# Altium PCB Pace Maker Panel RevA.PcbDoc (part 1 of 2)
Units mm, origin at the board's own origin, x right, y up, seen from the top; angles counter-clockwise.
Board outline 150.47 x 78.27 mm, 2 copper layers (Top Copper, Bottom Copper), stack 1.57 mm thick; 193 components, 124 nets, 564 pads, 154 vias.
Unrouted connection lines stored in the file: 2.
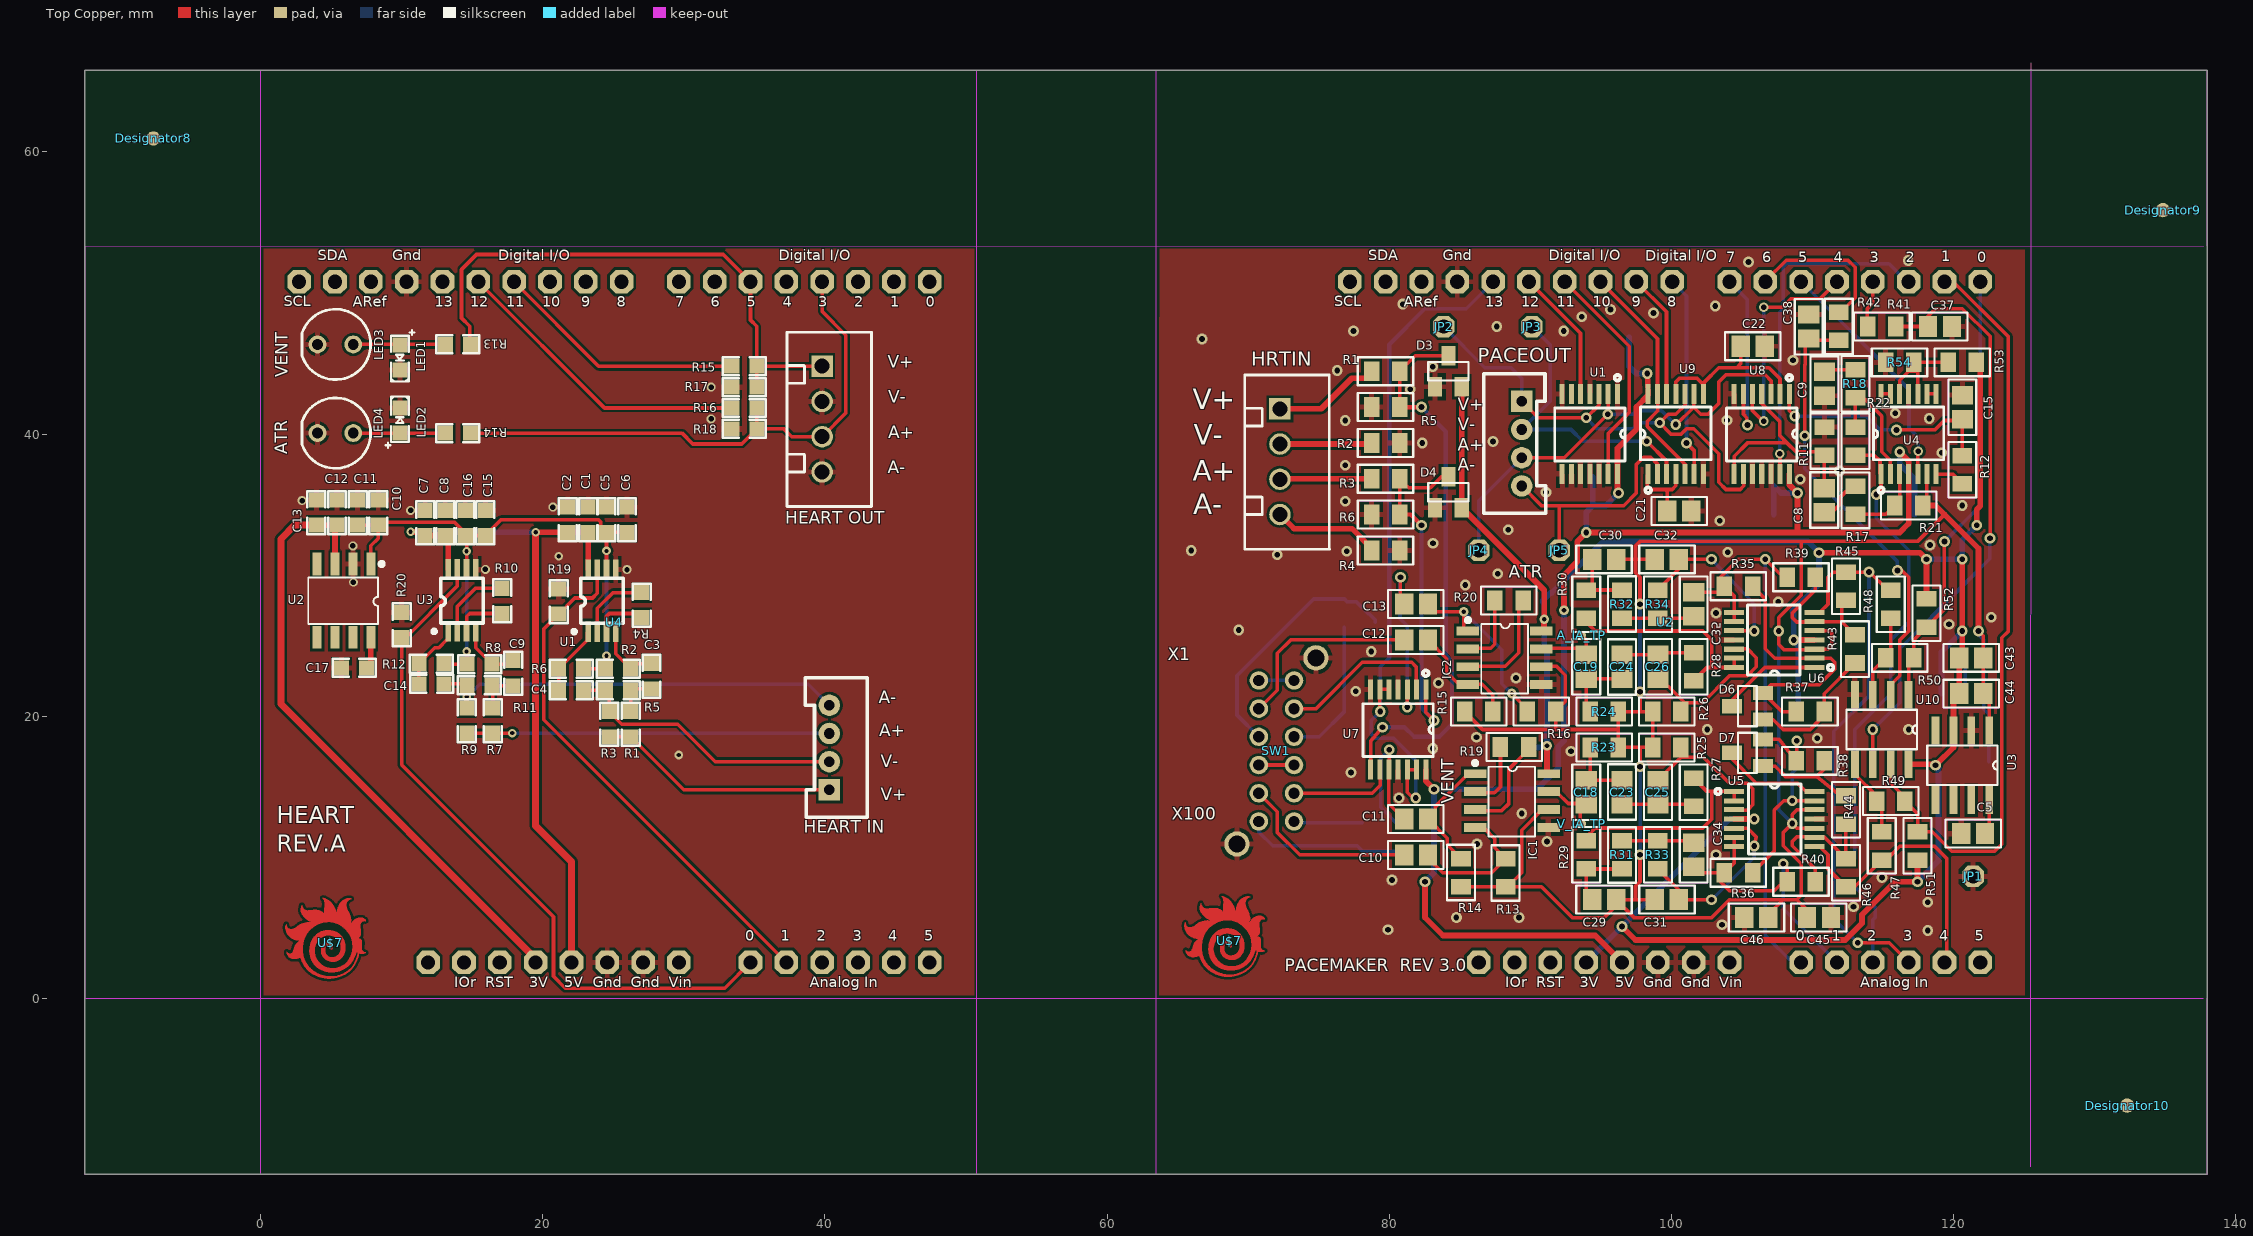
[diagram p0: Top Copper view]
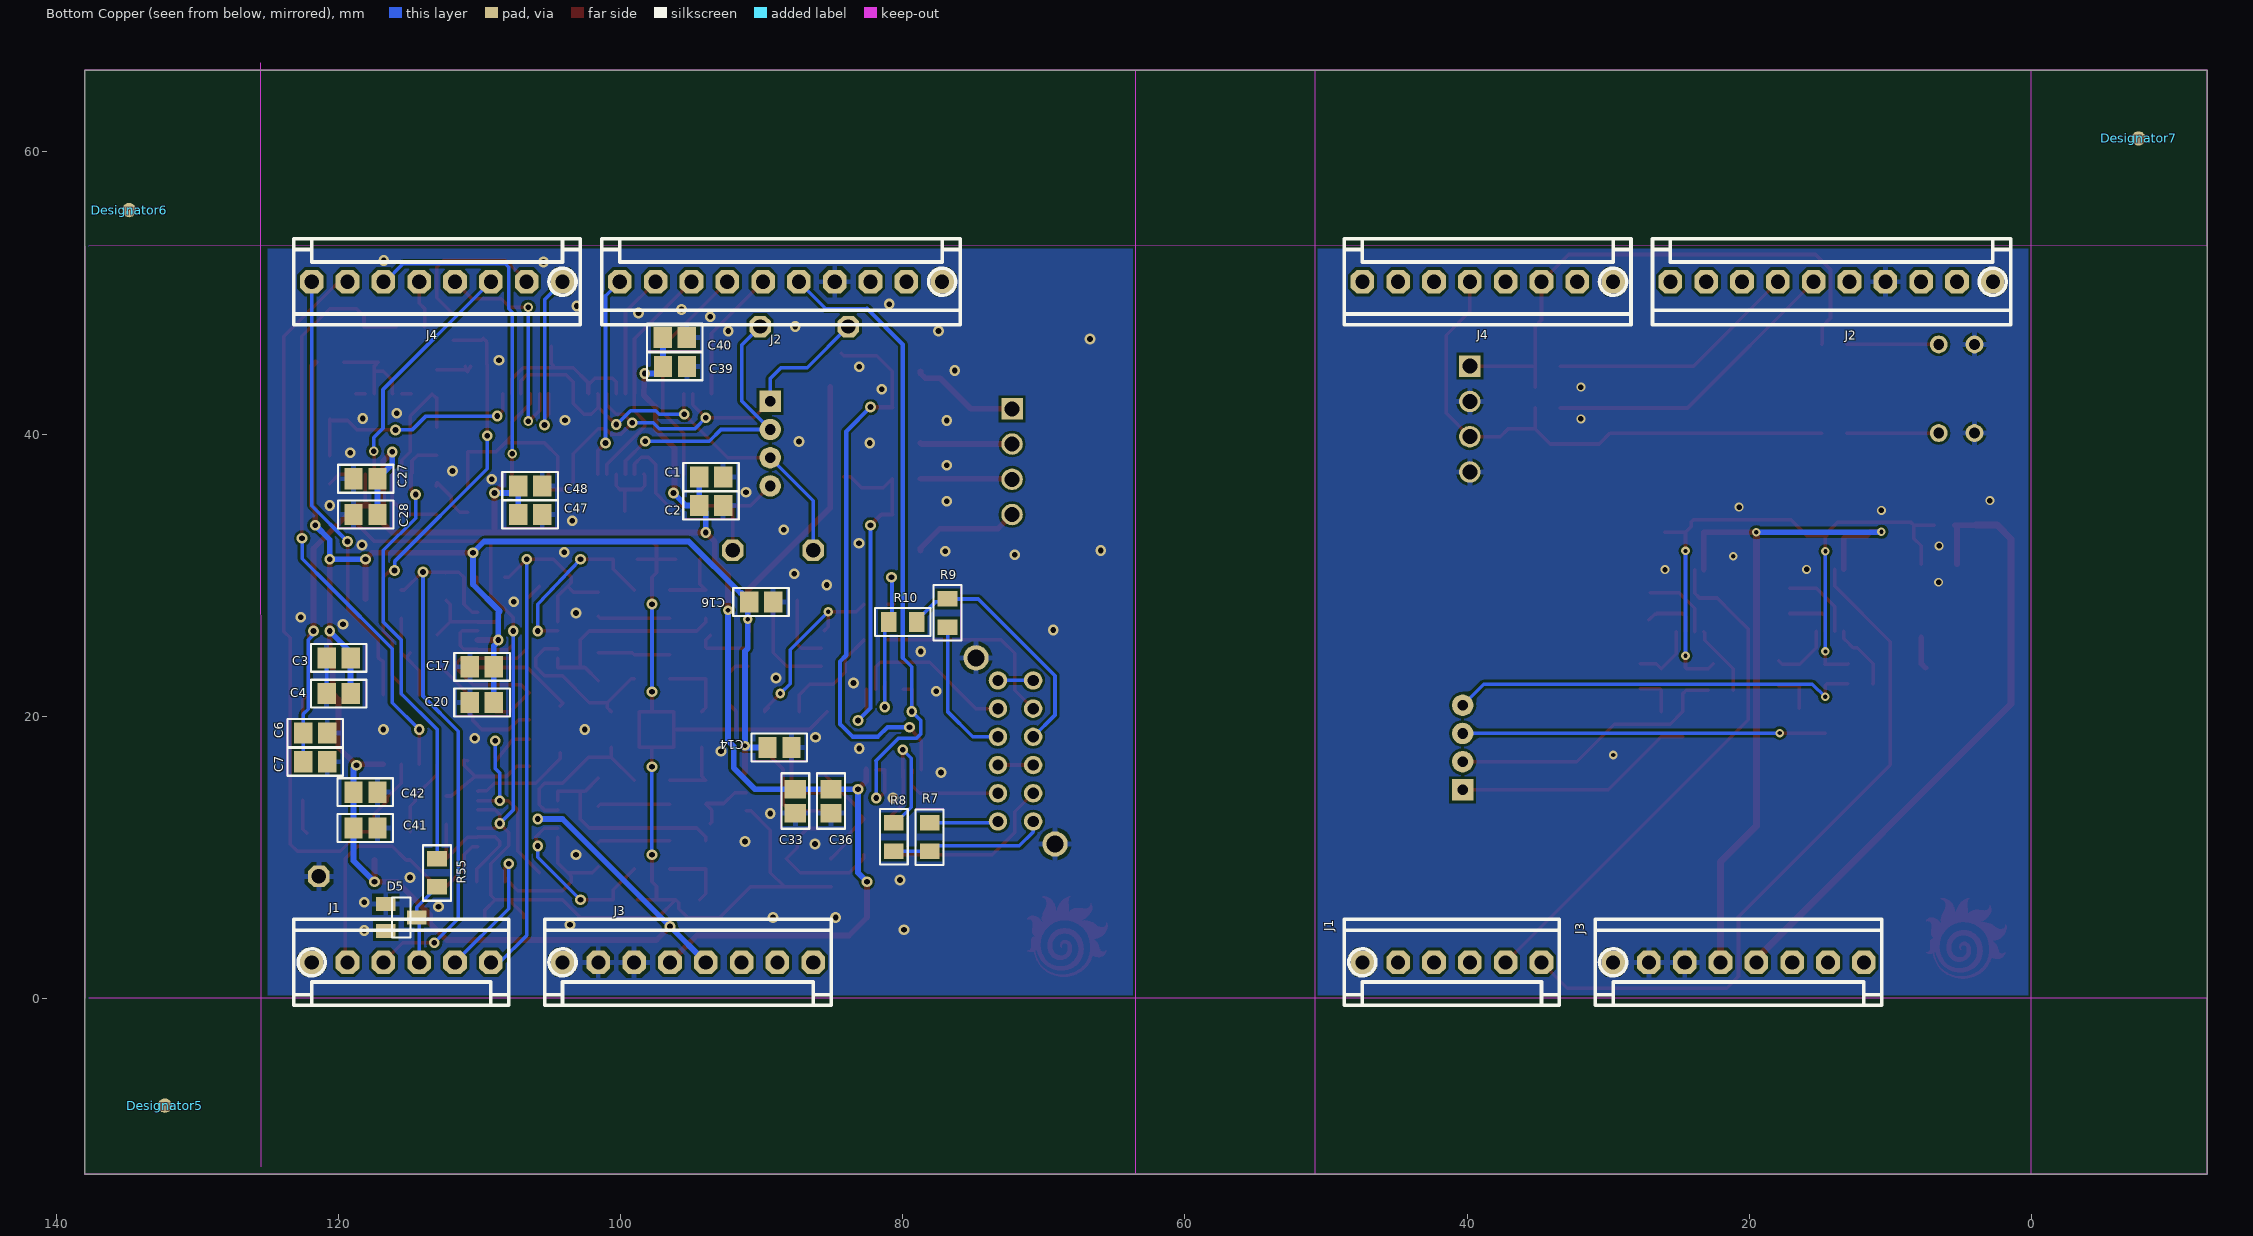
[diagram p1: Bottom Copper view, seen from below]

## Layer stack, top to bottom
Top Mask: solder mask 0.015, Solder Resist, Dk 3.8
Top Copper: signal copper 0.035
Dielectric 1: prepreg 0.1, 2313, Dk 4.05
Core: core 1.3, FR-4, Dk 4.5
Dielectric 2: prepreg 0.1, 2313, Dk 4.05
Bottom Copper: signal copper 0.035
Bottom Mask: solder mask 0.015, Solder Resist, Dk 3.8

## Board outline
-12.471,0 -12.471,53.33 -12.471,65.801 137.998,65.801 137.998,53.33 137.998,0 137.998,-12.471 -12.471,-12.471

## Design rules (kind name [scope] priority, off if disabled: settings)
AssemblyTestPointUsage [All] p1 off:
AssemblyTestpoint [All] p1 off: testpointundercomponent=TRUE minsize=1.016 maxsize=2.54 preferedsize=1.524 minholesize=0 maxholesize=1.016 preferedholesize=0.813 testpointgrid=0.025 usegrid=TRUE gridtolerance=0 allowsidetop=TRUE allowsidebottom=TRUE
Clearance Clearance_poly [InPolygon vs InPolygon] p1: gap=0.254 ignorepadtopadclearanceinfootprint=FALSE
Clearance [All] p2: gap=0.152 ignorepadtopadclearanceinfootprint=FALSE
ComponentClearance [All] p1 off: gap=0.254 collisioncheckmode=3 verticalgap=0.254 showdistances=FALSE
DiffPairsRouting [All] p1 off: maxlimit=0.254 minlimit=0.254 mostfreqgap=0.254 toplayer_minwidth=0.381 toplayer_maxwidth=0.381 toplayer_prefwidth=0.381 bottomlayer_minwidth=0.381 bottomlayer_maxwidth=0.381 bottomlayer_prefwidth=0.381 maxuncoupledlength=12.7
FabricationTestPointUsage [All] p1 off: valid=0 allowmultiple=FALSE
FabricationTestpoint [All] p1 off: side=3 testpointundercomponent=TRUE minsize=1.016 maxsize=2.54 preferedsize=1.524 minholesize=0 maxholesize=1.016 preferedholesize=0.813 testpointgrid=0.025 allowsidetop=TRUE allowsidebottom=TRUE usegrid=TRUE gridtolerance=0
FanoutControl Fanout_BGA [IsBGA] p1 off: bgadir=Out bgaviamode=Centered fanoutstyle=Auto fanoutdirection=Alternating viagrid=0.025 // Fanout_BGA (Default Rule)
FanoutControl Fanout_LCC [IsLCC] p2 off: bgadir=Out bgaviamode=Centered fanoutstyle=Auto fanoutdirection=Alternating viagrid=0.025 // Fanout_LCC (Default Rule)
FanoutControl Fanout_SOIC [IsSOIC] p3 off: bgadir=Out bgaviamode=Centered fanoutstyle=Auto fanoutdirection=Alternating viagrid=0.025 // Fanout_SOIC (Default Rule)
FanoutControl Fanout_Small [(CompPinCount < 5)] p4 off: bgadir=Out bgaviamode=Centered fanoutstyle=Auto fanoutdirection=OutThenIn viagrid=0.025 // Fanout_Small (Default Rule)
FanoutControl Fanout_Default [All] p5 off: bgadir=Out bgaviamode=Centered fanoutstyle=Auto fanoutdirection=Alternating viagrid=0.025 // Fanout_Default (Default Rule)
Height [All] p1 off: minheight=0 maxheight=25.4 prefheight=12.7
HoleSize [All] p1: absolutevalues=TRUE maxlimit=6 minlimit=0.025 maxpercent=80.000 minpercent=20.000
MinimumSolderMaskSliver [All] p1 off: minsoldermaskwidth=0.254
PolygonConnect PolygonConnect_via [IsVia] p1: connectstyle=Direct reliefconductorwidth=0.254 reliefentries=4 polygonreliefangle="90 Angle" airgapwidth=0.254
PolygonConnect [All] p2: connectstyle=Relief reliefconductorwidth=0.381 reliefentries=4 polygonreliefangle="90 Angle" airgapwidth=0.203
RoutingPriority [All] p1 off: routingpriority=0
RoutingTopology [All] p1 off: topology=Shortest
RoutingVias [All] p1: holewidth=0.381 width=0.635 viastyle="Through Hole" minholewidth=0.305 minwidth=0.61 maxholewidth=1.524 maxwidth=2.032
SilkToSilkClearance [All] p1 off: silktosilkclearance=0.254
SilkToSolderMaskClearance [IsPad] p1 off: minsilkscreentomaskgap=0.254 clearancetoexposedcopper=TRUE
SolderMaskExpansion [All] p1: expansion=0.102 istentingtop=FALSE
UnRoutedNet UnRoutedNet_signal [All] p1:
UnpouredPolygon [All] p1 off:
Width [All] p1: maxlimit=2.032 minlimit=0.203 preferedwidth=0.203
10 further rules are at their usual default settings.

## Components (designator, comment, footprint, x,y, rotation, side; value= is the part's Value field where it differs from the comment)
A_IA_TP "TPSTP06R" TP06R 93.662,25.717 r0 top
C1 "*" C0805 93.599,36.957 r180 bottom value=0.1uF
C1 "0.1uF" 0603_N_1MM 23.21,34.812 r270 top value=CL10B104KB8NNNL
C2 "*" C0805 93.599,34.925 r180 bottom value=1uF
C2 "1uF" 0603_N 21.761,34.812 r270 top value=CL10B105KQ8NNNC
C3 "*" C0805 120.015,24.13 r0 bottom value=0.1uF
C3 "3300pF" 0603_N 27.699,21.935 r90 top value=885012006016
C4 "*" C0805 120.015,21.59 r0 bottom value=1uF
C4 "3300pF" 0603_N 22.891,21.834 r180 top value=885012006016
C5 "*" C0805 121.412,11.684 r180 top value=1uF
C5 "0.1uF" 0603_N_1MM 24.511,34.812 r270 top value=CL10B104KB8NNNL
C6 "*" C0805 121.666,18.796 r180 bottom value=0.1uF
C6 "1uF" 0603_N 25.961,34.812 r270 top value=CL10B105KQ8NNNC
C7 "*" C0805 121.666,16.764 r180 bottom value=1uF
C7 "0.1uF" 0603_N_1MM 11.652,34.584 r270 top value=CL10B104KB8NNNL
C8 "*" C0805 110.858,35.306 r270 top value=1uF
C8 "1uF" 0603_N 13.074,34.584 r270 top value=CL10B105KQ8NNNC
C9 "*" C0805 110.871,43.561 r90 top value=1uF
C9 "3300pF" 0603_N 17.892,22.149 r90 top value=885012006016
C10 "*" C0805 81.915,10.16 r0 top value=10uF
C10 "0.1uF" 0603_N_1MM 8.324,35.32 r270 top value=CL10B104KB8NNNL
C11 "*" C0805 81.915,12.7 r0 top value=10uF
C11 "1uF" 0603_N 6.862,35.32 r270 top value=CL10B105KQ8NNNC
C12 "*" C0805 81.915,25.4 r0 top value=10uF
C12 "0.1uF" 0603_N_1MM 5.399,35.32 r270 top value=CL10B104KB8NNNL
C13 "*" C0805 81.915,27.94 r0 top value=10uF
C13 "1uF" 0603_N 3.937,35.32 r270 top value=CL10B105KQ8NNNC
C14 "*" C0805 88.75,17.78 r180 bottom value=0.1uF
C14 "3300pF" 0603_N 12.998,22.288 r180 top value=885012006016
C15 "*" C0805 120.65,41.91 r90 top value=1uF
C15 "0.1uF" 0603_N_1MM 15.919,34.584 r270 top value=CL10B104KB8NNNL
C16 "*" C0805 90.05,28.1 r180 bottom value=1uF
C16 "1uF" 0603_N 14.496,34.584 r270 top value=CL10B105KQ8NNNC
C17 "*" C0805 109.855,23.495 r0 bottom value=0.1uF
C17 "1uF" 0603_N 5.719,23.419 r0 top value=CL10B105KQ8NNNC
C18 "*" C0805 93.98,14.605 r90 top value=10uF
C19 "*" C0805 93.98,23.495 r270 top value=10uF
C20 "*" C0805 109.855,20.955 r0 bottom value=1uF
C21 "*" C0805 100.584,34.544 r0 top value=10uF
C22 "*" C0805 105.791,46.228 r0 top value=10uF
C23 "*" C0805 96.52,14.605 r270 top value=1.5uF
C24 "*" C0805 96.52,23.495 r90 top value=1.5uF
C25 "*" C0805 99.06,14.605 r90 top value=1.5uF
C26 "*" C0805 99.06,23.495 r270 top value=10uF
C27 "*" C0805 118.11,36.83 r0 bottom value=0.1uF
C28 "*" C0805 118.11,34.29 r0 bottom value=1uF
C29 "*" C0805 95.25,6.985 r0 top value=0.1uF
C30 "*" C0805 95.25,31.115 r0 top value=0.1uF
C31 "*" C0805 99.695,6.985 r180 top value=0.039uF
C32 "*" C0805 99.695,31.115 r180 top value=0.022uF
C33 "*" C0805 87.63,13.97 r270 bottom value=0.1uF
C34 "*" C0805 101.6,10.16 r270 top value=0.39uF
C35 "*" C0805 101.6,27.94 r90 top value=0.22uF
C36 "*" C0805 85.09,13.97 r270 bottom value=1uF
C37 "*" C0805 119.062,47.625 r0 top value=1uF
C38 "*" C0805 109.753,47.625 r90 top value=1uF
C39 "*" C0805 96.166,44.801 r180 bottom value=0.1uF
C40 "*" C0805 96.177,46.855 r180 bottom value=1uF
C41 "*" C0805 118.11,12.065 r180 bottom value=0.1uF
C42 "*" C0805 118.11,14.605 r180 bottom value=1uF
C43 "*" C0805 121.285,24.13 r0 top value=0.1uF
C44 "*" C0805 121.285,21.59 r0 top value=1uF
C45 "*" C0805 110.49,5.715 r0 top value=1uF
C46 "*" C0805 106.045,5.715 r180 top value=0.1uF
C47 "*" C0805 106.426,34.29 r180 bottom value=1uF
C48 "*" C0805 106.426,36.322 r180 bottom value=0.1uF
D3 "BAT54S" SOT23 84.201,44.45 r0 top
D4 "BAT54S" SOT23 84.201,35.877 r0 top
D5 "*" SOT23 115.57,5.715 r270 bottom value=BZX84C3V3LT1G
D6 "BAT54S" SOT23 105.41,20.701 r90 top
D7 "BAT54S" SOT23 105.41,17.399 r90 top
Designator5 "Comment" Fiducial_40_100#1 132.334,-7.62 r180 bottom
Designator6 "Comment" Fiducial_40_100#1 134.874,55.88 r180 bottom
Designator7 "Comment" Fiducial_40_100#1 -7.62,60.96 r180 bottom
Designator8 "Comment" Fiducial_40_100#1 -7.62,60.96 r0 top
Designator9 "Comment" Fiducial_40_100#2 134.874,55.88 r180 bottom
Designator10 "Comment" Fiducial_40_100#2 132.334,-7.62 r180 bottom
"HEART IN" "B4B-PH-K-S" B4B-PH-K-S 40.31,15.769 r90 top
"HEART OUT" "B4B-XH-A" B4B-XH-A 39.802,44.813 r270 top value=B4B-XH-A(LF)(SN)
HRTIN "B4B-XH-A" B4B-XH-A 72.263,41.79 r270 top
IC1 "AD8226" SOIC8_SMTC 86.1,15.91 r0 top
IC2 "AD8226" SOIC8_SMTC 85.593,26.04 r0 top
J1 "LHS-06-TS" LHS-00-TS_OUTLINE 121.92,2.54 r0 bottom
J1 "LHS-06-TS" LHS-00-TS_OUTLINE 47.422,2.54 r0 bottom
J2 "LHS-10-TS" LHS-10-TS_OUTLINE 77.216,50.8 r180 bottom
J2 "LHS-10-TS" LHS-10-TS_OUTLINE 2.718,50.8 r180 bottom
J3 "LHS-08-TS" LHS-08-TS_OUTLINE 104.14,2.54 r0 bottom
J3 "LHS-08-TS" LHS-08-TS_OUTLINE 29.642,2.54 r0 bottom
J4 "LHS-08-TS" LHS-08-TS_OUTLINE 104.14,50.8 r180 bottom
J4 "LHS-08-TS" LHS-08-TS_OUTLINE 29.642,50.8 r180 bottom
JP1 "PINHD-1X1" 1X01 121.412,8.636 r0 top
JP2 "PINHD-1X1" 1X01 83.87,47.625 r0 top
JP3 "PINHD-1X1" 1X01 90.12,47.625 r0 top
JP4 "PINHD-1X1" 1X01 86.36,31.75 r0 top
JP5 "PINHD-1X1" 1X01 92.075,31.75 r0 top
LED1 "VLMB1300-GS08" LED_0603 9.855,46.33 r270 top
LED2 "SML-D12V1WT86" LED_0603 9.855,40.068 r90 top
LED3 "151051BS04000" LED_5mm 5.288,46.355 r0 top
LED4 "151051RS11000" LED_5mm 5.288,40.068 r0 top
PACEOUT "B4B-PH-K-S" B4B-PH-K-S 89.408,41.322 r270 top value=B4B-XH-A
R1 "*" R0805 79.756,44.45 r0 top value=59
R1 "75K" 0603_N_RES 26.226,20.31 r270 top value=RC0603FR-0775KL
R2 "*" R0805 79.756,39.37 r0 top value=59
R2 "162K" 0603_N_RES 24.447,23.358 r0 top value=RC0603FR-07162KL
R3 "*" R0805 79.756,36.83 r0 top value=59
R3 "1K" 0603_N_RES 24.717,20.31 r270 top value=RC0603FR-071KL
R4 "*" R0805 79.756,31.75 r0 top value=59
R4 "49.9K" 0603_N_RES 27,28.753 r270 top value=RC0603FR-0749K9L
R5 "*" R0805 79.756,41.91 r0 top value=1M
R5 "49.9K" 0603_N_RES 24.447,21.834 r0 top value=RC0603FR-0749K9L
R6 "*" R0805 79.756,34.29 r0 top value=1M
R6 "162K" 0603_N_RES 21.113,23.358 r0 top value=RC0603FR-07162KL
R7 "*" R0805 78.105,11.43 r90 bottom value=100k
R7 "75K" 0603_N_RES 16.434,20.561 r270 top value=RC0603FR-0775KL
R8 "*" R0805 80.645,11.43 r270 bottom value=1k
R8 "162K" 0603_N_RES 14.623,23.678 r0 top value=RC0603FR-07162KL
R9 "*" R0805 76.835,27.305 r270 bottom value=100k
R9 "1K" 0603_N_RES 14.605,20.561 r270 top value=RC0603FR-071KL
R10 "*" R0805 80.01,26.67 r180 bottom value=1k
R10 "49.9K" 0603_N_RES 17.109,29.055 r270 top value=RC0603FR-0749K9L
R11 "*" R0805 110.871,39.497 r270 top value=5.49k
R11 "49.9K" 0603_N_RES 14.605,22.186 r0 top value=RC0603FR-0749K9L
R12 "*" R0805 120.65,37.465 r270 top value=3.3k
R12 "162K" 0603_N_RES 11.201,23.714 r0 top value=RC0603FR-07162KL
R13 "*" R0805 88.265,8.89 r90 top value=10k
R13 "100" 0603_N_RES 14.852,46.355 r180 top value=RC0603FR-07100RL
R14 "*" R0805 85.1,8.9 r270 top value=10k
R14 "150" 0603_N_RES 14.852,40.068 r180 top value=RC0603FR-07150RL
R15 "*" R0805 86.36,20.32 r0 top value=10k
R15 "100K" 0603_N_RES 33.39,44.813 r0 top value=RC0603FR-07100KL
R16 "*" R0805 90.805,20.32 r0 top value=10k
R16 "100K" 0603_N_RES 33.39,41.846 r0 top value=RC0603FR-07100KL
R17 "*" R0805 113.081,35.306 r90 top value=249k
R17 "1K" 0603_N_RES 33.39,43.329 r0 top value=RC0603FR-071KL
R18 "*" R0805 113.068,43.561 r270 top value=249k
R18 "1K" 0603_N_RES 33.39,40.362 r0 top value=RC0603FR-071KL
R19 "*" R0805 88.9,17.8 r0 top value=1.02k
R19 "49.9K" 0603_N_RES 21.113,29.007 r270 top value=RC0603FR-0749K9L
R20 "*" R0805 88.5,28.2 r0 top value=1.02k
R20 "49.9K" 0603_N_RES 9.982,27.356 r270 top value=RC0603FR-0749K9L
R21 "*" R0805 116.84,34.925 r180 top value=249k
R22 "*" R0805 113.068,39.497 r90 top value=249k
R23 "*" R0805 95.25,17.78 r180 top value=330k
R24 "*" R0805 95.25,20.32 r180 top value=330k
R25 "*" R0805 99.695,17.78 r0 top value=1.4M
R26 "*" R0805 99.695,20.32 r0 top value=330k
R27 "*" R0805 101.6,14.605 r90 top value=715k
R28 "*" R0805 101.6,23.495 r270 top value=715k
R29 "*" R0805 93.98,10.16 r270 top value=39k
R30 "*" R0805 93.98,27.94 r90 top value=22.1k
R31 "*" R0805 96.52,10.16 r90 top value=7.5k
R32 "*" R0805 96.52,27.94 r270 top value=7.5k
R33 "*" R0805 99.06,10.16 r270 top value=133k
R34 "*" R0805 99.06,27.94 r90 top value=133k
R35 "*" R0805 104.775,29.21 r0 top value=4.99k
R36 "*" R0805 104.775,8.89 r0 top value=4.99k
R37 "*" R0805 109.855,20.32 r0 top value=4.99k
R38 "*" R0805 109.855,16.828 r0 top value=4.99k
R39 "*" R0805 109.22,29.845 r0 top value=10k
R40 "*" R0805 109.22,8.255 r0 top value=10k
R41 "*" R0805 114.935,47.625 r180 top value=3.3k
R42 "*" R0805 111.887,47.638 r90 top value=10k
R43 "*" R0805 113.03,24.765 r90 top value=4.99k
R44 "*" R0805 112.395,13.335 r270 top value=4.99k
R45 "*" R0805 112.395,29.21 r90 top value=10k
R46 "*" R0805 112.395,8.89 r270 top value=10k
R47 "*" R0805 114.935,10.795 r270 top value=10k
R48 "*" R0805 115.57,27.94 r90 top value=10k
R49 "*" R0805 115.57,13.97 r180 top value=10M
R50 "*" R0805 116.205,24.13 r180 top value=10M
R51 "*" R0805 117.475,10.795 r270 top value=10k
R52 "*" R0805 118.11,27.305 r90 top value=10k
R53 "*" R0805 120.65,45.085 r0 top value=510k
R54 "*" R0805 116.205,45.085 r0 top value=510k
R55 "*" R0805 113.03,8.89 r90 bottom value=59
SW1 "EG4208" EG4208-PACKAGE 69.215,24.13 r180 top
U1 "CD74HC4066PWR" SOP65P640X110-14N 94.234,40.005 r270 top
U1 "AD8220" MSOP8_0.65mm_DGK 23.211,25.99 r90 top value=AD8220ARMZ-R7
U2 "ARDUINOR3-DIMENSION" ARDUINOR3 58.42,0 r0 top locked
U2 "TLE2426CDR" SOIC8_SMTC 7.798,30.785 r270 top
U3 "TLE2426CDR" SOIC127P600X175-8N 120.65,16.51 r270 top
U3 "AD8220" MSOP8_0.65mm_DGK 13.284,26.007 r90 top value=AD8220ARMZ-R7
U4 "LMV344MT" SOP65P640X110-14N 116.84,40.005 r90 top
U4 "ARDUINO_R3" ARDUINOR3 -16.078,0 r0 top value=n/a
U5 "LMV344MT" SOP65P640X110-14N 107.315,12.7 r0 top
U6 "LMV344MT" SOP65P640X110-14N 107.315,25.4 r180 top
U7 "CD74HC4066PWR" SOP65P640X110-14N 80.645,19.05 r270 top
U8 "CD74HC4066PWR" SOP65P640X110-14N 106.426,40.005 r270 top
U9 "CD74HC4066PWR" SOP65P640X110-14N 100.33,40.005 r90 top
U10 "MCP6547-E/SN" SOIC127P600X175-8N 114.935,19.05 r270 top
U$7 "" FIREBALL 68.671,4.067 r0 top
U$7 "" FIREBALL 4.928,3.937 r0 top
V_IA_TP "TPSTP06R" TP06R 93.662,12.383 r0 top

## Footprints (in the part's own frame and the unit in brackets; to place one, negate y for a bottom-side part, rotate by r counter-clockwise, add the part's x,y. Pads: shape width x height; smd on the part's side, far side on the other; paste and mask are expansions set on the pad)
1X01 [mil] "1X01"
  oct 60x60 / inner round 0 / far side oct 60x60 hole 40: 1(0,0)
0603_N [mil]
  rect 42x42 smd mask+0: 1(0,0) 2(70,0)
  silkscreen extent -25,-25 95,25, body extent 3,-16 66,16, height 19
0603_N_1MM [mil] "Full height"
  rect 42x42 smd mask+0: 1(0,0) 2(70,0)
  silkscreen extent -25,-25 95,25, body extent 3,-16 66,15, height 31
0603_N_RES [mil]
  rect 42x42 smd mask+0: 1(0,0) 2(70,0)
  silkscreen extent -25,-25 95,25, body extent 3,-16 66,16, height 19
ARDUINOR3 [mil] "ARDUINOR3"
  oct 66x66 / inner round 0 / far side oct 66x66 hole 39.37: 3V(1400,100) 5V(1500,100) A0(2000,100) A1(2100,100) A2(2200,100) A3(2300,100) A4(2400,100) A5(2500,100) AREF(940,2000) D0(2500,2000) D1(2400,2000) D2(2300,2000) D3(2200,2000) D4(2100,2000) D5(2000,2000) D6(1900,2000) D7(1800,2000) D8(1640,2000) D9(1540,2000) D10(1440,2000) D11(1340,2000) D12(1240,2000) D13(1140,2000) GND(1040,2000) GND1(1700,100) GND2(1600,100) IOREF(1200,100) RESERVED(1100,100) RESET(1300,100) SDA(840,2000) VIN(1800,100)
  oct 66x66 hole 39.37: SCL(740,2000)
B4B-PH-K-S [mil]
  rect 60x60 / inner round 60 / far side rect 60x60 hole 30: 1(-39.37,0)
  round 60 hole 30: 2(39.37,0) 3(118.11,0) 4(196.85,0)
  silkscreen extent -116,-106 274,67, body extent -116,-110 274,67, height 236
B4B-XH-A [mil]
  rect 60x60 hole 42: 1(0,0)
  round 60 hole 42: 2(98.43,0) 3(196.85,0) 4(295.28,0)
  silkscreen extent -94,-98 392,138, body extent -96,-94 392,132, height 276
C0805 [mm] "C0805"
  rect 1.3x1.5 smd: 1(-0.85,0) 2(0.85,0)
  Top Copper keep-out lines w0.051: 1.973,-0.983 -1.973,-0.983 -1.973,0.983 1.973,0.983 1.973,-0.983
  silkscreen extent -1.98,-0.99 1.96,0.99
EG4208-PACKAGE [mil] "EG4208-PACKAGE"
  round 51.5 / inner round 0 / far side round 51.5 hole 31.5: 1(-61.02,456.69) 2(-61.02,377.95) 3(-61.02,299.21) 4(-61.02,220.47) 5(-61.02,141.73) 6(-61.02,62.99) 7(-159.45,456.69) 8(-159.45,377.95) 9(-159.45,299.21) 10(-159.45,220.47) 11(-159.45,141.73) 12(-159.45,62.99)
  round 70.86 / inner round 0 / far side round 70.86 hole 47.24: NC1(0,519.68) NC2(-220.47,0)
Fiducial_40_100#1 [mil] "40 copper 120 clearance"
  round 40 smd paste-78.74 mask+30: 0(0,0)
Fiducial_40_100#2 [mil] "40 copper 120 clearance"
  round 40 smd far side paste-78.74 mask+30: 0(0,0)
FIREBALL [mm] "FIREBALL"
  Top Copper drawing of 1562 lines, arcs and shapes, not listed
LED_5mm [mm]
  round 1.27 hole 0.762: A(1.265,0) K(-1.275,0)
  silkscreen extent -2.38,-2.5 2.5,2.5
LED_0603 [mil]
  rect 42x42 smd mask+0: A(0,0) K(70,0)
  silkscreen extent -41,-25 102,40, body extent 2,-18 69,18, height 35
LHS-00-TS_OUTLINE [mm]
  silkscreen extent -13.97,-3.05 1.27,3.05, body extent -14.1,-3.17 1.4,3.17, height 10
LHS-08-TS_OUTLINE [mm]
  silkscreen extent -19.05,-3.05 1.27,3.05
LHS-10-TS_OUTLINE [mm]
  silkscreen extent -24.13,-3.05 1.27,3.05
MSOP8_0.65mm_DGK [mm]
  rect 1.45x0.4 smd: 1(0,0) 2(0,-0.65) 3(0,-1.3) 4(0,-1.95) 5(4.4,-1.95) 6(4.4,-1.3) 7(4.4,-0.65) 8(4.4,0)
  silkscreen extent -0.14,-2.48 3.77,1.14, body extent -0.27,-2.5 4.67,0.6, height 1.1
R0805 [mm] "R0805"
  rect 1.1x1.4 smd: 1(-1,0) 2(1,0)
  Top Copper keep-out lines w0.051: -1.973,-0.983 -1.973,0.983 1.973,0.983 1.973,-0.983 -1.973,-0.983
  silkscreen extent -1.98,-0.99 1.96,0.99
SOIC8_SMTC [mil]
  rect 63x25 smd: 1(0,0) 2(0,-50) 3(0,-100) 4(0,-150) 5(205,-150) 6(205,-100) 7(205,-50) 8(205,0)
  silkscreen extent -5,-175 167,35, body extent -16,-171 220,21, height 67
SOIC127P600X175-8N [mil] "SOIC127P600X175-8N"
  rect 78x22 smd: 1(-97,75) 2(-97,25) 3(-97,-25) 4(-97,-75) 5(97,-75) 6(97,-25) 7(97,25) 8(97,75)
  silkscreen extent -55,-98 55,98
SOP65P640X110-14N [mil] "SOP65P640X110-14N"
  rect 56x14 smd: 1(-112,77) 2(-112,51) 3(-112,26) 4(-112,0) 5(-112,-26) 6(-112,-51) 7(-112,-77) 8(112,-77) 9(112,-51) 10(112,-26) 11(112,0) 12(112,26) 13(112,51) 14(112,77)
  silkscreen extent -165,-98 75,98
SOT23 [mm] "SOT23"
  rect 1x1.4 smd: 1(-0.95,-1.1) 2(0.95,-1.1) 3(0,1.1)
  silkscreen extent -1.42,-0.66 1.42,0.66
TP06R [mm] "TP06R"
  rrect100% 0.6x0.6 smd paste+0: TP(0,0)

## Part data
A_IA_TP V_IA_TP: "TEST PIN"
C1 C2 C3 C4 C5 C6 C7 C8 C9 C10 C11 C12 C13 C14 C15 C16 C17 C18 C19 C20 C21 C22 C23 C24 C25 C26 C27 C28 C29 C30 C31 C32 C33 C34 C35 C36 C37 C38 C39 C40 C41 C42 C43 C44 C45 C46 C47 C48: library part C-USC0805, "CAPACITOR, American symbol"
  C46 C48: =0.1uF
C1 C5 C7 C10 C12 C15: library part CAP, "CAP CER 0.1UF 50V X7R 0603", Manufacturer=Samsung, Price=0.01
C2 C6 C8 C11 C13 C16 C17: library part CAP, "CAP CER 1UF 6.3V X7R 0603", Manufacturer=Samsung, Price=0.01
C3 C4 C9 C14: library part CAP, "CAP CER 3300PF 10V C0G/NP0 0603", Manufacturer="Würth Elektronik", Price=0.01
D3 D4 D6 D7: "Schottky Diodes   Pin connection corrected 2011-05-04 Source: Fairchild .. BAT54.pdf"
D5: library part ZENER-DIODESOT23, "Z-Diode"
"HEART IN": library part "Header 4", "CONN HEADER VERT 4POS 2MM", Manufacturer=JST, Price=0.14
"HEART OUT": library part "Header 4", "CONN HEADER VERT 4POS 2.5MM", Manufacturer=JST, Price=0.14
HRTIN PACEOUT: library part CON4, "Conn mFit 2x2M Strgt.", Manufacturer=Molex, Price=0
IC1 IC2: "Wide Supply Range, Rail-to-Rail Output Instrumentation Amplifier", MPN=AD623ARZ., +V=+V, -V=-V, DeviceName=R, DeviceSetName=AD8266, GateName_1=G$1, LibraryName=analog-devices, MF=MF, OC_FARNELL=9426213, OC_NEWARK=31M4186, RG=RG, SymbolName_1=AD8226
J1 J1: library part "SIP Header 6 Outline", "CONN HEADER VERT 6 POS 2.54MM", Manufacturer="Adam Tech", Price=1.65
J2 J2: library part "SIP Header 10 Outline", "CONN HEADER VERT 10POS 2.54MM", Manufacturer="Adam Tech", Price=0.31
J3 J3 J4 J4: library part "SIP Header 8 Outline", "Header, 8-Pin", Manufacturer="Adam Tech", Price=1.65
JP1 JP2 JP3 JP4 JP5: "PIN HEADER"
LED1: library part LED_1, "LED BLUE HIGHBRIGHT 0603 SMD", Manufacturer=Vishay, Price=0.09
LED2: library part LED_1, "Red LED 2.2V 0603", Manufacturer="Rohm Semiconductor", Price=0.10
LED3: library part LED_1, "LED BLUE DIFFUSED 5MM ROUND T/H", Manufacturer="Würth Elektronik", Price=0.29
LED4: library part LED_1, "LED RED DIFFUSED 5MM ROUND T/H", Manufacturer="Würth Elektronik", Price=0.19
R1 R2 R3 R4 R5 R6 R7 R8 R9 R10 R11 R12 R13 R14 R15 R16 R17 R18 R19 R20 R21 R22 R23 R24 R25 R26 R27 R28 R29 R30 R31 R32 R33 R34 R35 R36 R37 R38 R39 R40 R41 R42 R43 R44 R45 R46 R47 R48 R49 R50 R51 R52 R53 R54 R55: library part R-US_R0805, "RESISTOR, American symbol"
R1 R7: library part RES1, "RES SMD 75K OHM 1% 1/10W 0603", Manufacturer=Yageo, Price=0.01
R2 R6 R8 R12: library part RES1, "RES SMD 162K OHM 1% 1/10W 0603", Manufacturer=Yageo, Price=0.01
R3 R9 R17 R18: library part RES1, "RES SMD 1K OHM 1% 1/10W 0603", Manufacturer=Yageo, Price=0.01
R4 R5 R10 R11 R19 R20: library part RES1, "RES SMD 49.9K OHM 1% 1/10W 0603", Manufacturer=Yageo, Price=0.01
R13: library part RES1, "RES SMD 100 OHM 1% 1/10W 0603", Manufacturer=Yageo, Price=0.01
R14: library part RES1, "RES SMD 150 OHM 1% 1/10W 0603", Manufacturer=Yageo, Price=0.01
R15 R16: library part RES1, "RES SMD 100K OHM 1% 1/10W 0603", Manufacturer=Yageo, Price=0.01
U1 U3: "IC INST AMP 1 CIRCUIT 8MSOP", Manufacturer="Analog Devices Inc.", Price=6.64
U2: "This is a new object for the new Arduino R3 - with extra pins that you may want to use (such as IOref, and duplicated A4/A5"
U2: library part TLE2426, "IC VREF GND REF 2.0V 1% 8SOIC", Manufacturer="Texas Instruments", Price=2.23
U3: "Precision Virtual Ground"
U4: "Arduino R3 Shield", Manufacturer=n/a, Price=0
U10: "Open-Drain Output Sub-Microamp Comparators"
U$7 U$7: library part FIREBALL, PackageName=FIREBALL

## Via types
v1: diameter 0.762/0.762 (per signal layer), hole 0.406, Top Copper to Bottom Copper, 126 vias
v2: diameter 0.61, hole 0.305, Top Copper to Bottom Copper, 10 vias
v3: diameter 0.635, hole 0.381, Top Copper to Bottom Copper, 9 vias
v4: diameter 0.686, hole 0.33, Top Copper to Bottom Copper, 5 vias
v5: diameter 0.686, hole 0.381, Top Copper to Bottom Copper, 4 vias

## Nets (pads, with @x,y where several pads share a name; then routed paths per layer and width w, separated by ;. In a path a pad name is that pad's centre, name@x,y a point inside that pad or via, vN(x,y) a via of type N, cw(c..) or ccw(c..) an arc to the next point about the centre after c; other vN are vias at no path point)
3V3: C12.2@5.399,33.542 C13.2@3.937,33.542 U2.3 U4.3V | length 44.7
  Top Copper w0.406: C13.2@3.937,33.542 C12.2@5.399,33.542 5.258,33.4 U2.3@5.258,30.785
  Top Copper w0.508: C13.2@3.937,33.542 2.401,33.542 1.422,32.563 1.422,20.853 19.482,2.794 U4.3V@19.482,2.54
5V0: C1.2@23.21,33.034 C2.2@21.761,33.034 C7.2@11.652,32.806 C8.2@13.074,32.806 U1.8@23.21,30.39 U3.8@13.284,30.406 U4.5V | length 51.9
  Top Copper w0.406: v2(10.617,33.071) 10.631,33.057 11.401,33.057 C7.2@11.652,32.806 C8.2@13.074,32.806 13.284,32.596 U3.8@13.284,30.406 ; v2(19.482,33.034) C2.2@21.761,33.034 C1.2@23.21,33.034 U1.8@23.21,30.39
  Top Copper w0.508: v2(19.482,33.034) 19.482,12.217 22.022,9.677 U4.5V@22.022,2.54
  Bottom Copper w0.406: v2(10.617,33.071) 10.654,33.034 v2(19.482,33.034)
+3V3: C3.1@119.165,24.13 C4.1@119.165,21.59 C14.1@89.6,17.78 C16.1@90.9,28.1 C17.1@109.005,23.495 C20.1 C41.1 C42.1 C43.1 C44.1 D3.2 D4.2 IC1.8 IC2.8 R51.2 R52.2 R53.2 U2.3V U3.3@120.015,18.974 U5.4 U6.4 U10.8 | length 170.2
  Top Copper w0.406: D3.2@85.151,43.35 D4.2@85.151,34.777 86.856,33.072 91,28.928 v4@91,26.9 ; IC2.8@90.993,26.04 v4(90.993,26.87) ; v4(91.2,17.9) 91.2,16.01 IC1.8@91.3,15.91 ; v1(96.52,5.08) 97.472,4.127 112.348,4.127 113.53,5.31 113.53,5.92 115.865,8.255 v1(117.475,8.255) R51.2@117.475,9.795 ; U5.4@104.47,12.7 v1(105.886,12.7) ; v1(108.7,25.4) U6.4@110.16,25.4 ; v1(110.49,31.591) 117.634,31.591 v1(118.11,31.115) R52.2@118.11,28.305 ; U10.8@116.84,16.586 v1@118.821,16.586 ; v1(118.745,16.51) v1@118.821,16.586 ; v1(120.65,31.115) v1(120.65,26.035) 120.65,24.345 C43.1@120.435,24.13 C44.1@120.435,21.59 120.015,21.17 U3.3@120.015,18.974 120.015,17.78 v1@118.821,16.586 ; R53.2@121.65,45.085 121.92,44.815 121.92,34.9 121.666,34.646 v1(121.666,33.528)
  Bottom Copper w0.406: C14.1@89.6,17.78 91.28,17.78 v4@91.3,17.8 ; v4(91.2,17.9) 91.2,24.6 91,24.8 91,26.9 91,28 C16.1@90.9,28.1 90.9,28.2 91.423,28.723 91.523,28.723 95.185,32.385 109.696,32.385 v1(110.49,31.591) 110.49,29.337 108.585,27.432 108.7,27.317 v1(108.7,25.4) 108.7,25.285 109.005,24.98 C17.1@109.005,23.495 C20.1@109.005,20.955 ; U2.3V@93.98,2.54 v1(96.52,5.08) 104.14,12.7 v1(105.886,12.7) ; v1(117.475,8.255) 118.96,9.74 C41.1@118.96,12.065 C42.1@118.96,14.605 118.96,16.295 v1(118.745,16.51) ; v1(118.11,31.115) v1(120.65,31.115) 120.65,32.512 v1(121.666,33.528) ; C4.1@119.165,21.59 C3.1@119.165,24.13 119.165,24.55 v1(120.65,26.035)
+5V: C1.1@94.449,36.957 C2.1@94.449,34.925 C27.1 C28.1 C33.1 C36.1 C39.1 C40.1 C47.1 C48.1 U1.14 U2.5V U4.4 U7.14 U8.14 U9.14 | length 114.8
  Top Copper w0.406: v1(82.55,8.255) 82.55,5.715 83.82,4.445 94.615,4.445 U2.5V@96.52,2.54 ; U7.14@82.601,15.504 U7.14@82.601,16.205 82.601,15.404 v1(83.185,14.82) ; v4(92.4,27.5) 92.4,30 93.345,30.945 93.345,32.385 v1(93.98,33.02) 108.966,33.02 ; v1(96.266,35.814) 96.19,35.89 U1.14@96.19,37.16 96.19,38.99 97.536,40.336 97.536,41.91 98.374,42.748 U9.14@98.374,42.85 98.386,42.861 v1(98.31,44.293) ; U8.14@108.382,37.16 108.382,36.398 v1(108.966,35.814) 108.966,33.02 ; v1(116.205,38.735) 116.84,38.1 U4.4@116.84,37.16 116.84,33.655 116.205,33.02 108.966,33.02
  Bottom Copper w0.406: v1(82.55,8.255) 83.185,8.89 v1(83.185,14.82) ; v1@83.285,14.82 C36.1@85.09,14.82 C33.1@87.63,14.82 90.5,14.82 92,16.32 92,17.852 92.4,18.252 v4(92.4,27.5) ; v1(93.98,33.02) 93.98,34.456 C2.1@94.449,34.925 ; C1.1@94.449,36.957 C2.1@94.449,34.925 ; v1(96.266,35.814) 95.377,34.925 C2.1@94.449,34.925 ; C40.1@97.027,46.855 97.016,46.844 C39.1@97.016,44.801 97.524,44.293 v1(98.31,44.293) ; C47.1@107.276,34.29 C48.1@107.276,36.322 107.784,35.814 v1(108.966,35.814) ; v1(116.205,38.735) 116.205,37.885 C27.1@117.26,36.83 C28.1@117.26,34.29
ADC0: R20.2@9.982,25.578 U3.7@13.934,30.406 U4.A0 | length 50
  Top Copper w0.254: U3.7@13.934,30.406 13.934,29.225 9.982,25.273 9.982,16.535 20.752,5.766 20.752,1.549 21.59,0.711 32.893,0.711 U4.A0@34.722,2.54
ADC1: R19.2@21.113,27.229 U1.7@23.861,30.39 U4.A1 | length 37.3
  Top Copper w0.254: U1.7@23.861,30.39 23.861,28.712 23.52,28.372 22.256,28.372 R19.2@21.113,27.229 20.066,26.182 20.066,19.736 U4.A1@37.262,2.54
ATR+: "HEART IN.3" R7.2@16.434,18.783 R9.2@14.605,18.783 | length 25.7
  Top Copper w0.254: R9.2@14.605,18.783 R7.2@16.434,18.783 17.818,18.783 v2(17.831,18.796)
  Bottom Copper w0.254: v2(17.831,18.796) 40.283,18.796 40.31,18.769
ATR-: "HEART IN.4" C14.1@12.998,22.288 R9.1@14.605,20.561 R11.1@14.605,22.186 | length 29.2
  Top Copper w0.254: C14.1@12.998,22.288 14.504,22.288 R11.1@14.605,22.186 v2(14.605,21.361)
  Bottom Copper w0.254: v2(14.605,21.361) 15.513,22.269 38.81,22.269 40.31,20.769
ATR_NAT: "HEART OUT.3" R14.1@14.852,40.068 R16.2@35.168,41.846 R18.2@35.168,40.362 U4.D3 | length 39.8
  Top Copper w0.254: R14.1@14.852,40.068 29.859,40.068 30.632,39.294 34.1,39.294 R18.2@35.168,40.362 ; R16.2@35.168,41.846 R18.2@35.168,40.362 ; U4.D3@39.802,50.8 39.802,48.692 41.478,47.015 41.478,41.489 39.802,39.813 37.642,39.813 37.093,40.362 R18.2@35.168,40.362
GND: "HEART OUT.2" "HEART OUT.4" C1.1@23.21,34.812 C1.2@92.749,36.957 C2.1@21.761,34.812 C2.2@92.749,34.925 C3.2@120.865,24.13 C4.2@120.865,21.59 C5.1@24.511,34.812 C5.2@120.562,11.684 C6.1@25.961,34.812 C6.2@120.816,18.796 C7.1@11.652,34.584 C7.2@120.816,16.764 C8.1@13.074,34.584 C9.1@110.871,42.711 C10.1@8.324,35.32 C11.1@6.862,35.32 C12.1@5.399,35.32 C13.1@3.937,35.32 C14.2@87.9,17.78 C15.1@15.919,34.584 C15.2@120.65,42.76 C16.1@14.496,34.584 C16.2@89.2,28.1 C17.1@5.719,23.419 C17.2@110.705,23.495 C20.2 C21.2 C22.2 C27.2 C28.2 C33.2 C36.2 C37.2 C38.2 C39.2 C40.2 C41.2 C42.2 C45.2 C46.2 C47.2 C48.2 D3.1 D4.1 D5.1 IC1.5 IC2.5 JP1.1 LED1.K LED2.K LED3.K LED4.K R2.2@80.756,39.37 R4.2@80.756,31.75 R5.1@78.756,41.91 R6.1@78.756,34.29 R11.1@110.871,40.497 R17.1@33.39,43.329 R18.1@33.39,40.362 R19.1@21.113,29.007 R20.1@9.982,27.356 R54.1 SW1.NC1 SW1.NC2 U1.1@96.19,42.85 U1.4@94.234,42.85 U1.5@25.161,30.39 U1.7@92.278,42.85 U1.8@92.278,37.16 U1.9 U1.10 U1.11 U1.12 U2.2 U2.GND U2.GND1 U2.GND2 U3.2@121.285,18.974 U3.5@15.235,30.406 U4.11 U4.GND U4.GND1 U4.GND2 U5.11 U6.11 U7.4 U7.7 U7.11 U8.7 U8.10 U8.11 U8.12 U9.7 U10.4 | length 2.5
  Bottom Copper w0.254: C4.2@120.865,21.59 C3.2@120.865,24.13
  other v1: 118.2,4.8 79.93,4.842 103.6,5.2 84.772,5.715 89.218,5.715 112.93,6.48 118.2,6.8 80.2,8.382 114.953,8.555 103.188,10.16 86.233,10.922 91.2,11.1 89.4,13.1 80.7,14.2 77.3,16 92.9,17.5 83.1,17.7 110.36,18.433 86.2,18.5 102.552,19.05 116.84,19.05 77.635,21.762 83.502,22.352 89,22.7 78.74,24.575 69.342,26.098 119.697,26.511 122.7,27 103.188,27.305 107.6,28.1 85.4,29.3 87.7,30.1 72.072,31.432 104.013,31.623 76.994,31.686 65.977,31.75 118.364,32.131 83.121,32.258 88.456,33.21 103.454,33.858 120.65,34.925 76.898,35.242 91.123,35.877 109.156,36.792 111.938,37.376 76.898,37.782 119.189,38.672 82.359,39.37 87.376,39.472 76.898,40.957 103.962,40.97 118.3,41.1 115.887,41.465 81.502,43.18 76.327,44.514 83.09,44.767 108.636,45.237 66.739,46.736 77.47,47.307 92.392,47.307 87.63,47.625 93.662,48.323 98.742,48.578 95.694,48.831 103.124,49.085 80.962,49.212 105.486,52.197 116.815,52.299
  other v2: 29.642,17.243 21.113,31.344
  other v3: 6.553,29.489 15.919,30.406 25.961,30.39 6.528,32.069 10.617,34.584 20.701,34.812 2.921,35.281 31.928,41.072 31.928,43.329
NetA_IA_TP_TP: A_IA_TP.TP C19.1 IC2.7 | length 4
  Top Copper w0.254: IC2.7@91,24.8 93.908,24.8 93.98,24.872 93.98,25.4 A_IA_TP.TP@93.662,25.717
NetC3_1: C3.1@27.699,21.935 R1.1@26.226,20.31 R5.2@26.226,21.834 | length 3
  Top Copper w0.254: R1.1@26.226,20.31 R5.2@26.226,21.834 26.327,21.935 C3.1@27.699,21.935
NetC3_2: C3.2@27.699,23.713 R2.2@26.226,23.358 U1.4@25.161,25.99 | length 4.7
  Top Copper w0.254: U1.4@25.161,25.99 25.161,24.422 R2.2@26.226,23.358 26.581,23.713 C3.2@27.699,23.713
NetC4_2: C4.2@21.113,21.834 R6.1@21.113,23.358 U1.1@23.21,25.99 | length 5
  Top Copper w0.254: C4.2@21.113,21.834 R6.1@21.113,23.358 23.137,25.382 23.137,25.917 U1.1@23.21,25.99
NetC5_1: C5.1@122.262,11.684 U3.8@122.555,14.046 | length 2.5
  Top Copper w0.254: C5.1@122.262,11.684 122.555,11.977 U3.8@122.555,14.046
NetC6_1: C6.1@122.516,18.796 C7.1@122.516,16.764 C29.2 C30.2 C31.2 C32.2 C43.2 C44.2 C45.1 C46.1 IC1.6 IC2.6 R13.1@88.265,7.89 R14.2@85.1,7.9 R15.1@85.36,20.32 R16.2@91.805,20.32 R21.1 R23.1 R24.1 R25.1 R26.1 U3.1@122.555,18.974 U4.6 U5.10 U5.12 U6.3 U6.5 | length 184.1
  Top Copper w0.254: R14.2@85.1,7.9 88.255,7.9 R13.1@88.265,7.89 ; R15.1@85.36,20.32 86.63,19.05 91.805,19.05 ; IC2.6@91,23.53 91.87,23.53 92.5,22.9 92.5,21.015 R16.2@91.805,20.32 91.805,19.05 ; IC1.6@91.1,13.3 90.8,13.3 89.4,11.9 89.4,8.9 88.39,7.89 R13.1@88.265,7.89 ; C30.2@96.1,31.115 97.472,31.115 ; v1(97.79,10.16) 97.79,8.255 97.472,7.938 97.472,6.985 ; v1(97.79,21.725) 97.79,20.32 ; v1(97.79,27.94) 97.79,29.845 97.472,30.162 97.472,31.115 ; v1(97.8,16.4) 97.8,17.77 97.79,17.78 ; C31.2@98.845,6.985 97.472,6.985 ; C32.2@98.845,31.115 97.472,31.115 ; C46.1@106.895,5.715 106.895,5.93 107.95,6.985 ; C45.1@109.64,5.715 109.64,6.247 108.902,6.985 ; U5.10@110.16,12.04 108.928,12.04 v1(108.585,12.383) ; U5.12@110.16,13.36 108.928,13.36 108.585,13.018 v1(108.585,12.383) ; U6.5@110.16,26.06 111.24,26.06 111.4,25.9 111.4,25 111.14,24.74 U6.3@110.16,24.74 110.134,24.714 108.001,24.714 107.632,25.082 v1(107.632,26.035) 107.632,26.987 109.22,28.575 109.22,32.385 ; R21.1@117.84,34.925 118.135,35.265 U4.6@118.135,37.16 ; 119.38,34.29 117.475,32.385 109.22,32.385 ; v1(121.793,26.035) 122.135,25.693 C43.2@122.135,24.13 C44.2@122.135,21.59 122.555,21.17 U3.1@122.555,18.974 ; R13.1@88.265,7.89 90.805,7.89 92.98,5.715 95.25,5.715 95.885,6.35 95.885,6.77 C29.2@96.1,6.985 ; 91.805,19.05 96.25,19.05 ; C29.2@96.1,6.985 97.37,5.715 102.87,5.715 104.14,6.985 107.95,6.985 ; C29.2@96.1,6.985 97.472,6.985 ; 96.25,19.05 R24.1@96.25,20.32 97.79,20.32 ; 96.25,19.05 R23.1@96.25,17.78 97.79,17.78 ; 97.472,31.115 97.472,32.067 97.79,32.385 109.22,32.385 ; 97.79,17.78 R25.1@98.695,17.78 R26.1@98.695,20.32 97.79,20.32 ; 107.95,6.985 108.902,6.985 ; v1(108.585,12.383) 107.95,11.747 107.95,10.795 109.22,9.525 109.22,7.302 108.902,6.985
  Top Copper w0.406: R21.1@117.84,34.925 118.745,34.925 119.38,34.29 121.793,31.877 v1(121.793,26.035)
  Bottom Copper w0.254: v1(97.79,10.16) 97.8,10.17 v1(97.8,16.4) ; v1(97.79,21.725) 97.79,27.76 97.7,27.85 v1(97.79,27.94) ; v1(107.632,26.035) 107.632,13.335 v1(108.585,12.383) ; v1(121.793,26.035) 121.793,25.781 122.174,25.4 122.174,20.486 122.516,20.144 C6.1@122.516,18.796 C7.1@122.516,16.764
NetC8_1: C8.1@110.858,36.156 R11.2@110.871,38.497 U8.4 U8.8 | length 15.4
  Top Copper w0.254: U8.8@104.47,37.16 104.47,38.43 105.41,39.37 108.22,39.37 ; U8.4@106.426,42.85 106.426,42.164 107.696,40.894 107.696,39.894 108.22,39.37 ; C8.1@110.858,36.156 R11.2@110.858,38.738 ; R11.2@110.871,38.497 R11.2@110.858,38.738 ; 108.22,39.37 108.852,38.738 R11.2@110.858,38.738
NetC8_2: C8.2@110.858,34.456 R17.2@113.081,36.306 | length 3.6
  Top Copper w0.254: C8.2@110.858,34.456 111.418,34.456 112.014,35.052 112.014,35.535 113.039,36.56 R17.2@113.081,36.306
NetC9_1: C9.1@17.892,22.149 R7.1@16.434,20.561 R11.2@16.383,22.186 | length 3.1
  Top Copper w0.254: R11.2@16.383,22.186 R11.2@16.42,22.149 ; R7.1@16.434,20.561 16.434,22.136 R11.2@16.42,22.149 ; C9.1@17.892,22.149 R11.2@16.42,22.149
NetC9_2: C9.2 R8.2@16.401,23.678 R18.1@113.068,44.561 U3.4@15.235,26.006 | length 7.6
  Top Copper w0.254: U3.4@15.235,26.006 15.235,24.845 R8.2@16.401,23.678 17.643,23.678 C9.2@17.892,23.927 ; C9.2@110.64,44.815 C9.2@110.871,44.411 ; C9.2@111.021,44.815 C9.2@110.871,44.411 ; R18.1@113.068,44.561 111.021,44.561 C9.2@110.871,44.411
NetC10_1: C10.1@81.065,10.16 SW1.2 | length 13
  Top Copper w0.254: SW1.2@70.765,14.53 72.072,13.222 72.072,11.747 73.66,10.16 C10.1@81.065,10.16
NetC10_2: C10.2@82.765,10.16 IC1.4 R13.2@88.265,9.89 | length 10.2
  Top Copper w0.254: C10.2@82.765,10.16 82.765,9.935 83.8,8.9 84.419,8.9 85.781,8.9 87.275,8.9 R13.2@88.265,9.89 87.5,10.655 87.5,11.3 86.77,12.03 IC1.4@85.9,12.03
NetC11_1: C11.1@81.065,12.7 R8.1@80.645,12.43 U7.10 | length 12.6
  Top Copper w0.254: v1(80.01,17.621) 80.01,15.625 U7.10@79.985,16.205 79.985,13.781 C11.1@81.065,12.7
  Bottom Copper w0.254: v1(80.01,17.621) 79.4,17.011 79.4,13.525 80.072,12.853 80.495,12.43 R8.1@80.645,12.43
NetC11_2: C11.2@82.765,12.7 IC1.1 R14.1@85.1,9.9 | length 8.7
  Top Copper w0.254: R14.1@85.1,9.9 85.09,9.9 84.117,10.873 84.117,11.348 C11.2@82.765,12.7 83.288,13.223 83.288,13.588 85.61,15.91 IC1.1@86.1,15.91
NetC12_1: C12.1@81.065,25.4 SW1.5 | length 13.8
  Top Copper w0.254: SW1.5@70.765,20.53 72.072,21.837 72.072,24.447 73.025,25.4 C12.1@81.065,25.4
NetC12_2: C12.2@82.765,25.4 IC2.4 R15.2@87.36,20.32 | length 8
  Top Copper w0.254: C12.2@82.765,25.4 84.1,24.065 84.1,23.1 84.94,22.26 85.8,22.26 86.6,22.26 87.36,21.5 R15.2@87.36,20.32
NetC13_1: C13.1@81.065,27.94 R10.1@81.01,26.67 U7.3 | length 14.2
  Top Copper w0.254: v1(80.804,29.845) 80.804,28.702 80.804,28.099 80.645,27.94 C13.1@81.065,27.94 ; v1(81.28,20.637) 81.28,22.475 U7.3@81.305,21.895
  Bottom Copper w0.254: v1(80.804,29.845) 80.772,29.813 80.772,26.908 81.28,26.4 v1(81.28,20.637)
NetC13_2: C13.2@82.765,27.94 IC2.1 R16.1@89.805,20.32 | length 13.6
  Top Copper w0.254: C13.2@82.765,27.94 83.305,27.4 v4(85.3,27.4) 85.3,26.333 IC2.1@85.593,26.04 ; v4(88.7,21.6) 89.805,20.495 R16.1@89.805,20.32 R16.1@89.535,20.59
  Bottom Copper w0.254: v4(85.3,27.4) 88,24.7 88,22.3 v4(88.7,21.6)
NetC14_2: C14.2@11.22,22.288 R12.1@11.201,23.714 U3.1@13.284,26.006 | length 4.8
  Top Copper w0.254: R12.1@11.201,23.714 12.333,24.845 12.628,24.845 13.191,25.408 13.211,25.408 13.284,25.481 U3.1@13.284,26.006 ; R12.1@11.203,23.712 11.201,23.71 11.201,22.306 C14.2@11.22,22.288
NetC15_1: C15.1@120.65,41.06 R12.1@120.65,38.465 U8.1 | length 16.9
  Top Copper w0.254: U8.1@108.382,42.85 108.382,41.656 v1(108.763,41.275) ; v1(115.983,40.291) 118.691,40.291 119.358,40.958 120.548,40.958 C15.1@120.65,41.06 120.65,40.958 R12.1@120.65,38.465
  Bottom Copper w0.254: v1(108.763,41.275) 113.824,41.275 114.808,40.291 v1(115.983,40.291)
NetC17_2: C17.2@7.497,23.419 U2.8 | length 2.3
  Top Copper w0.406: C17.2@7.497,23.419 7.798,23.72 U2.8@7.798,25.578
NetC18_1: C18.1 IC1.7 V_IA_TP.TP | length 4.8
  Top Copper w0.254: IC1.7@91.1,14.57 91.93,14.57 92.7,13.8 93.935,13.8 C18.1@93.98,13.755 93.56,13.335 93.56,12.485 V_IA_TP.TP@93.662,12.383
NetC18_2: C18.2 C23.1 R23.2 | length 5
  Top Copper w0.254: R23.2@94.25,17.78 94.25,15.725 C18.2@93.98,15.455 C23.1@96.52,15.455
NetC19_2: C19.2 C24.1 R24.2 | length 5
  Top Copper w0.254: R24.2@94.25,20.32 93.98,20.59 C19.2@93.98,22.645 C24.1@96.52,22.645
NetC21_1: C21.1 U9.1 U9.4 | length 5.5
  Top Copper w0.254: U9.1@98.374,37.16 98.298,37.084 98.298,36.322 98.552,36.068 99.568,36.068 ; C21.1@99.734,34.544 99.734,35.902 99.568,36.068 ; U9.4@100.33,37.16 100.33,36.322 100.076,36.068 99.568,36.068